# Altium PCB slave-14-mc33775.PcbDoc (part 4 of 5) (continued)
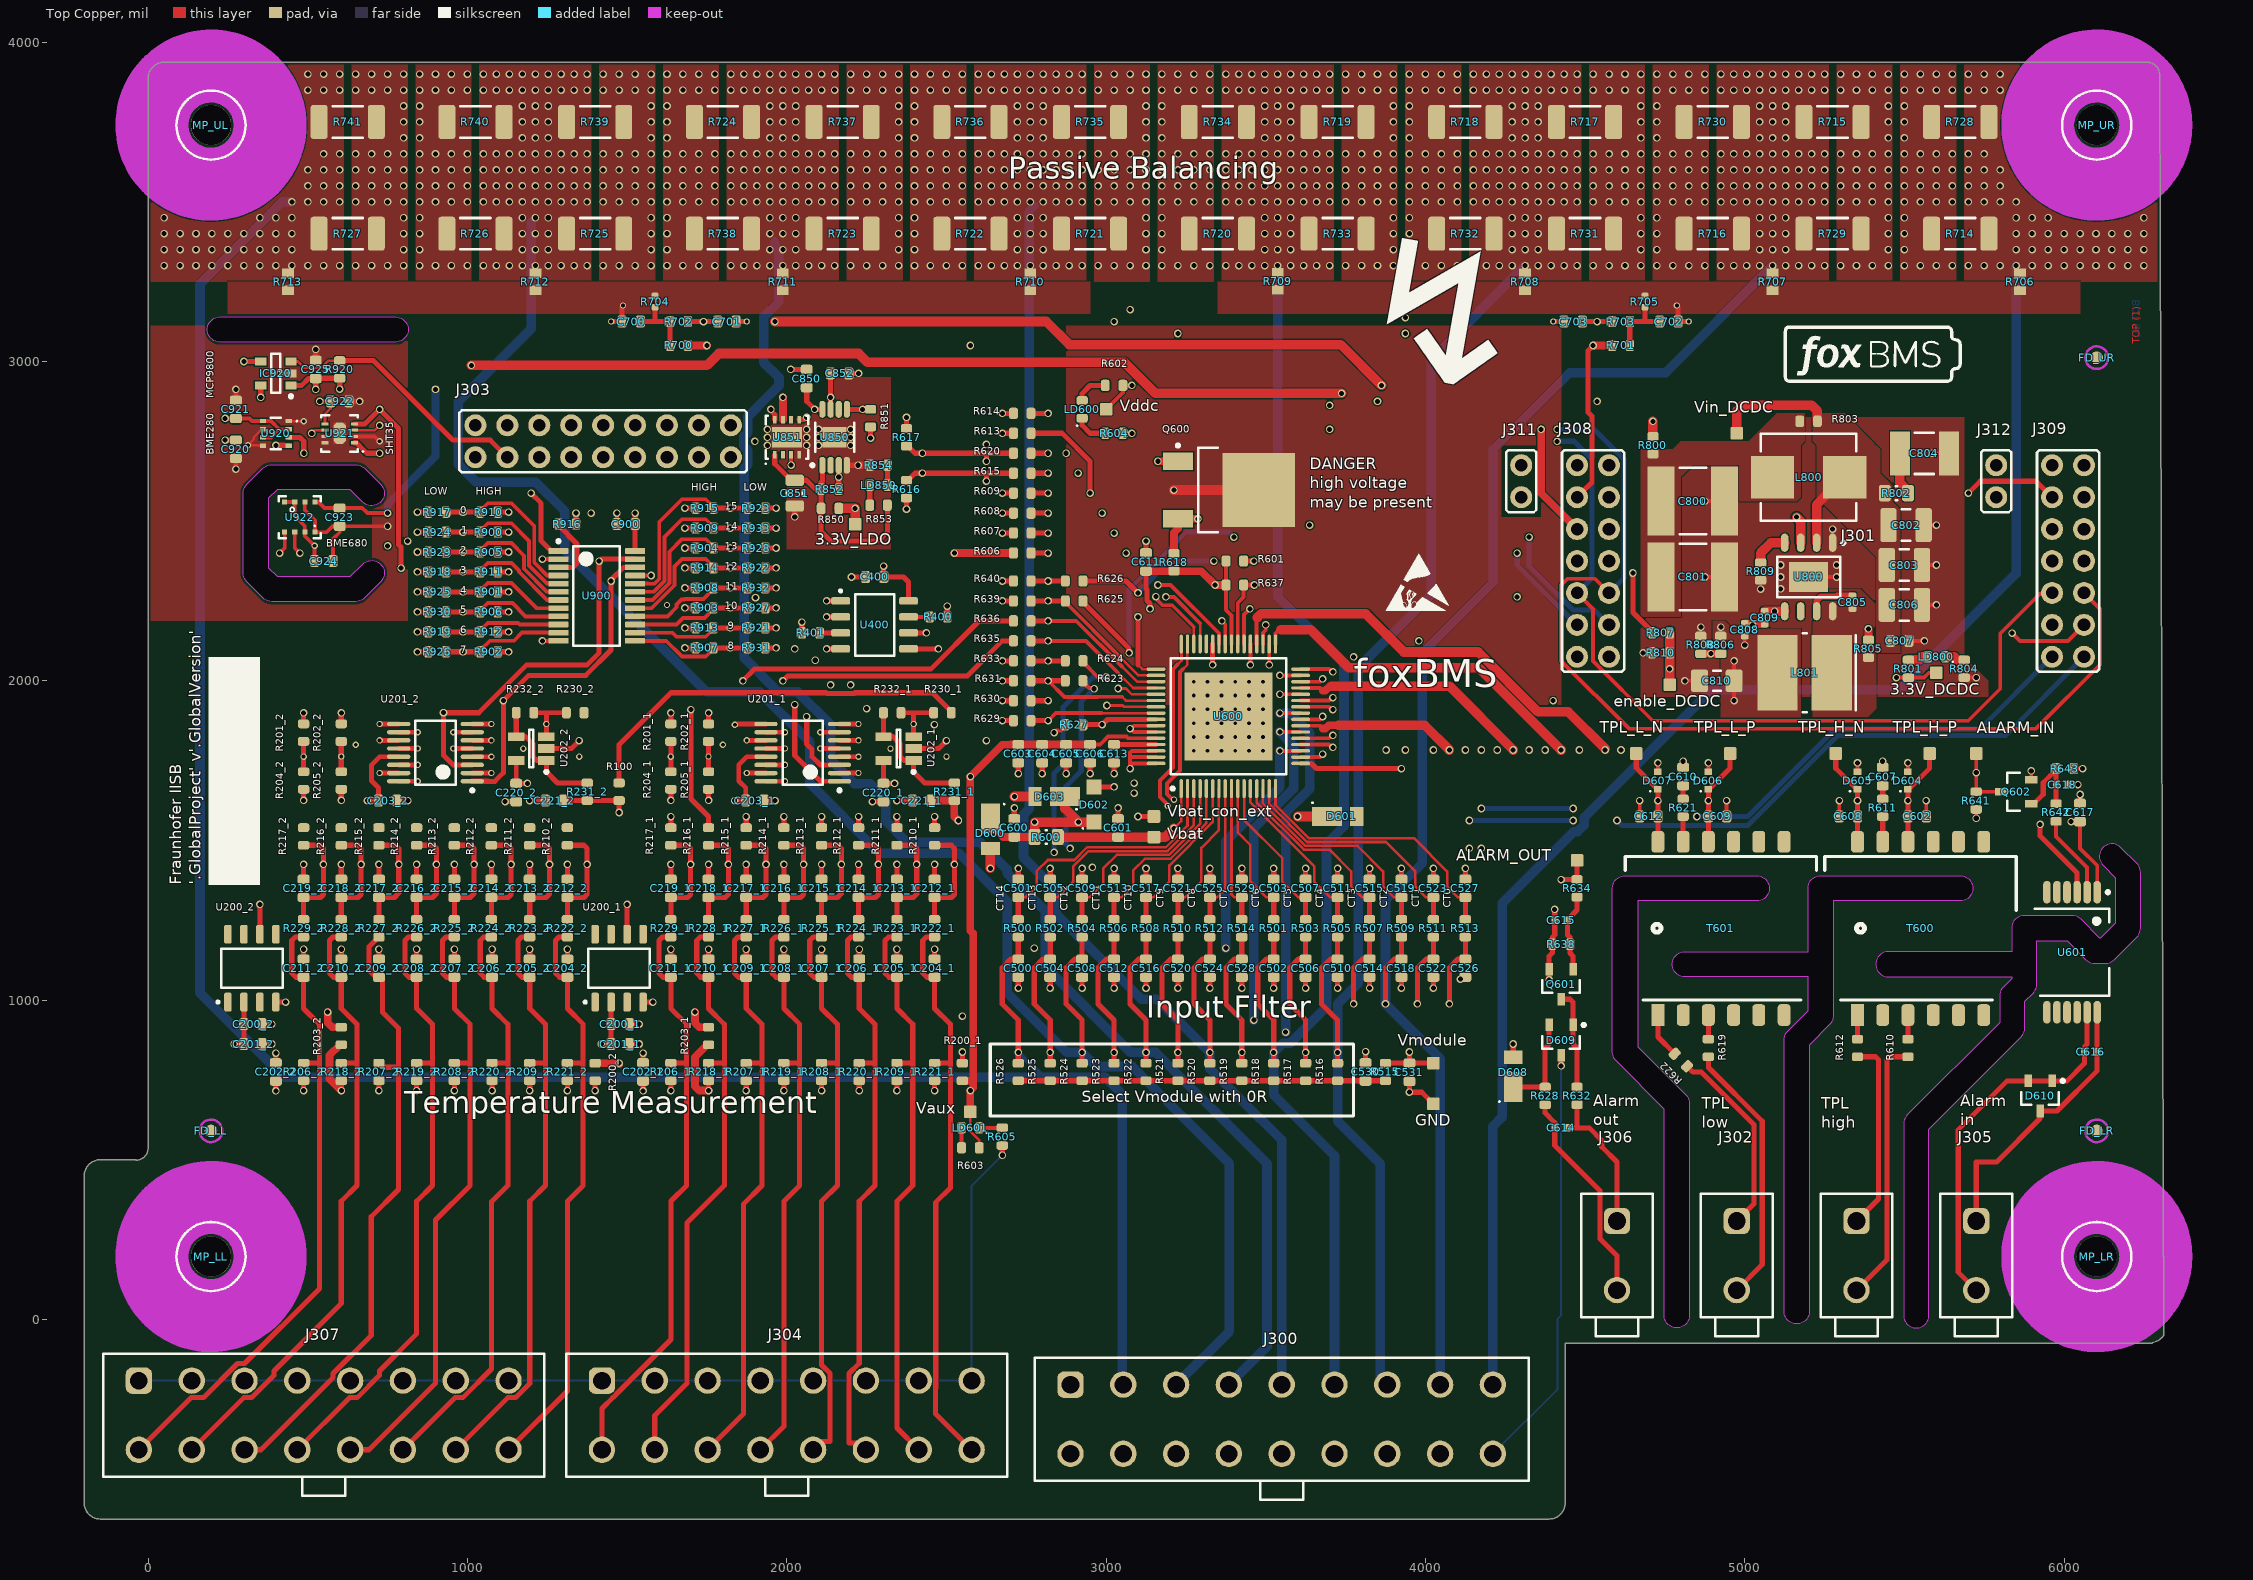
[diagram p0: Top Copper view]
## Nets (pads, with @x,y where several pads share a name; then routed paths per layer and width w, separated by ;. In a path a pad name is that pad's centre, name@x,y a point inside that pad or via, vN(x,y) a via of type N, cw(c..) or ccw(c..) an arc to the next point about the centre after c; other vN are vias at no path point) (continued)
  Signal Layer 1 w16: v2(1875,1813.39) 1935,1753.39 v1(1935,1425)
S6_2: C217_2.2 R215_2.1 R227_2.1 U201_2.11 | length 813
  Top Copper w15: v2(725,1813.39) U201_2.11@784.84,1813.39
  Top Copper w16: R227_2.1@722.99,1252.56 C217_2.2@722.99,1318.75 ; C217_2.2@722.99,1321.46 771.46,1321.46 785,1335 785,1475 775.06,1484.94 R215_2.1@722.99,1484.94
  Signal Layer 1 w16: v2(725,1813.39) 785,1753.39 v1(785,1425)
S7_1: C218_1.2 R216_1.1 R228_1.1 U201_1.10 | length 1005.4
  Top Copper w15: U201_1.10@1934.84,1838.98 v2(1994.69,1838.98)
  Top Copper w16: R228_1.1@1755,1252.56 C218_1.2@1755,1318.75 ; C218_1.2@1755,1321.46 1807.64,1321.46 1817.01,1330.83 1817.01,1475 1807.07,1484.94 R216_1.1@1755,1484.94
  Signal Layer 1 w16: v2(1800,1800) 1800,1559.36 1817.01,1542.35 v1(1817.01,1425)
  Signal Layer 2 w16: v2(1800,1800) 1851.84,1800 1864.3,1787.54 1943.25,1787.54 v2(1994.69,1838.98)
S7_2: C218_2.2 R216_2.1 R228_2.1 U201_2.10 | length 1005.4
  Top Copper w15: U201_2.10@784.84,1838.98 v2(844.69,1838.98)
  Top Copper w16: R228_2.1@605,1252.56 C218_2.2@605,1318.75 ; C218_2.2@605,1321.46 657.64,1321.46 667.01,1330.83 667.01,1475 657.07,1484.94 R216_2.1@605,1484.94
  Signal Layer 1 w16: v2(650,1800) 650,1559.36 667.01,1542.35 v1(667.01,1425)
  Signal Layer 2 w16: v2(650,1800) 701.84,1800 714.3,1787.54 793.25,1787.54 v2(844.69,1838.98)
S8_1: C219_1.2 R217_1.1 R229_1.1 U201_1.9 | length 957.4
  Top Copper w15: v2(1837.5,1862.5) 1838.77,1862.5 1840.83,1864.57 U201_1.9@1934.84,1864.57
  Top Copper w16: R229_1.1@1637.01,1252.56 C219_1.2@1637.01,1318.75 ; C219_1.2@1637.01,1321.46 1689.64,1321.46 1699.02,1330.83 1699.02,1475 1689.07,1484.94 R217_1.1@1637.01,1484.94
  Signal Layer 1 w16: v1(1699.02,1425) 1699.02,1761.52 1800,1862.5 v2(1837.5,1862.5)
S8_2: C219_2.2 R217_2.1 R229_2.1 U201_2.9 | length 957.6
  Top Copper w15: v2(725,1864.57) U201_2.9@784.84,1864.57
  Top Copper w16: R229_2.1@487.01,1252.56 C219_2.2@487.01,1318.75 ; C219_2.2@487.01,1321.46 539.64,1321.46 549.02,1330.83 549.02,1475 539.07,1484.94 R217_2.1@487.01,1484.94
  Signal Layer 1 w16: v1(549.02,1425) 549.02,1761.52 652.32,1864.82 724.75,1864.82 v2(725,1864.57)
SW: C805.2 L801.1 R805.1 U800.8
T-SENSOR_0: C204_1.2 J304.16 R221_1.1 R222_1.2 | length 1801.5
  Top Copper w16: R221_1.1@2462.99,802.56 2512.5,802.56 ; R222_1.2@2462.99,1197.44 2437.12,1197.44 2425.98,1186.3 2425.98,1084.28 2438.8,1071.46 C204_1.2@2462.99,1071.46 2462.99,973.92 2512.5,924.41 2512.5,802.56 ; J304.16@2578.74,-408.27 2466.23,-295.76 2466.23,-214.32 2466.72,-213.83 2466.72,366.72 2512.5,412.5 2512.5,802.56
T-SENSOR_1: C205_1.2 J304.15 R209_1.1 R223_1.2 | length 1784.5
  Top Copper w16: R209_1.1@2345,802.56 2394.51,802.56 ; R223_1.2@2345,1197.44 2319.13,1197.44 2307.99,1186.3 2307.99,1084.28 2320.81,1071.46 C205_1.2@2345,1071.46 2345,973.92 2394.51,924.41 2394.51,802.56 ; J304.15@2413.39,-408.27 2345,-339.88 2345,370 2394.51,419.51 2394.51,802.56
T-SENSOR_2: C206_1.2 J304.14 R220_1.1 R224_1.2 | length 1810.6
  Top Copper w16: R220_1.1@2227.01,802.56 2276.52,802.56 ; R224_1.2@2227.01,1197.44 2201.14,1197.44 2190,1186.3 2190,1084.28 2202.82,1071.46 C206_1.2@2227.01,1071.46 2227.01,973.92 2276.52,924.41 2276.52,802.56 ; J304.14@2248.03,-408.27 2227.01,-387.24 2194.69,-387.24 2194.69,-169.64 2227.01,-137.32 2227.01,370 2276.52,419.51 2276.52,802.56
T-SENSOR_3: C207_1.2 J304.13 R208_1.1 R225_1.2 | length 1805.3
  Top Copper w16: J304.13@2082.68,-408.27 2109.02,-381.93 2136.01,-381.93 2136.01,-169.64 2109.02,-142.64 2109.02,370 2158.52,419.51 2158.52,802.56 ; R208_1.1@2109.02,802.56 2158.52,802.56 ; R225_1.2@2109.02,1197.44 2083.15,1197.44 2072.01,1186.3 2072.01,1084.28 2084.83,1071.46 C207_1.2@2109.02,1071.46 2109.02,973.92 2158.52,924.41 2158.52,802.56
T-SENSOR_4: C208_1.2 J304.12 R219_1.1 R226_1.2 | length 1786.7
  Top Copper w16: J304.12@1917.32,-408.27 1990.98,-334.61 1990.98,370 2040.49,419.51 2040.49,802.56 ; R219_1.1@1990.98,802.56 2040.49,802.56 ; R226_1.2@1990.98,1197.44 1965.12,1197.44 1953.98,1186.3 1953.98,1084.28 1966.8,1071.46 C208_1.2@1990.98,1071.46 1990.98,973.92 2040.49,924.41 2040.49,802.56
T-SENSOR_5: C209_1.2 J304.11 R207_1.1 R227_1.2 | length 1806.3
  Top Copper w16: J304.11@1751.97,-408.27 1863.98,-296.25 1863.98,360.99 1922.5,419.51 1922.5,802.56 ; R207_1.1@1872.99,802.56 1922.5,802.56 ; R227_1.2@1872.99,1197.44 1847.12,1197.44 1835.98,1186.3 1835.98,1084.28 1848.8,1071.46 C209_1.2@1872.99,1071.46 1872.99,973.92 1922.5,924.41 1922.5,802.56
T-SENSOR_6: C210_1.2 J304.10 R218_1.1 R228_1.2 | length 1823.6
  Top Copper w16: J304.10@1586.61,-408.27 1586.61,-300.89 1687.5,-200 1687.5,-102.31 ; 1687.5,-100 1687.5,302.5 1804.51,419.51 1804.51,802.56 ; R218_1.1@1755,802.56 1804.51,802.56 ; R228_1.2@1755,1197.44 1729.13,1197.44 1717.99,1186.3 1717.99,1084.28 1730.81,1071.46 C210_1.2@1755,1071.46 1755,973.92 1804.51,924.41 1804.51,802.56
T-SENSOR_7: C211_1.2 J304.9 R206_1.1 R229_1.2 | length 1845.9
  Top Copper w16: J304.9@1421.26,-408.27 1421.26,-278.74 1454.93,-245.07 1455.46,-245.07 1474.6,-225.93 1474.6,-225.4 1637.5,-62.5 1637.5,370.49 1686.52,419.51 1686.52,802.56 ; R206_1.1@1637.01,802.56 1686.52,802.56 ; R229_1.2@1637.01,1197.44 1611.14,1197.44 1600,1186.3 1600,1084.28 1612.82,1071.46 C211_1.2@1637.01,1071.46 1637.01,973.92 1686.52,924.41 1686.52,802.56
T-SENSOR_8: C204_2.2 J307.16 R221_2.1 R222_2.2 | length 1832.5
  Top Copper w16: J307.16@1128.74,-408.27 1312.99,-224.02 1312.99,370 1362.5,419.51 1362.5,802.56 ; R221_2.1@1312.99,802.56 1362.5,802.56 ; R222_2.2@1312.99,1197.44 1287.12,1197.44 1275.98,1186.3 1275.98,1084.28 1288.8,1071.46 C204_2.2@1312.99,1071.46 1312.99,973.92 1362.5,924.41 1362.5,802.56
T-SENSOR_9: C205_2.2 J307.15 R209_2.1 R223_2.2 | length 1866.4
  Top Copper w16: J307.15@963.39,-408.27 1126.58,-245.07 1150.83,-245.07 1195,-200.9 1195,370 1244.51,419.51 1244.51,802.56 ; R209_2.1@1195,802.56 1244.51,802.56 ; R223_2.2@1195,1197.44 1169.13,1197.44 1157.99,1186.3 1157.99,1084.28 1170.81,1071.46 C205_2.2@1195,1071.46 1195,973.92 1244.51,924.41 1244.51,802.56
T-SENSOR_10: C206_2.2 J307.14 R220_2.1 R224_2.2 | length 1886
  Top Copper w16: J307.14@798.03,-408.27 961.23,-245.07 985.48,-245.07 1075.4,-155.15 1075.4,368.39 1126.52,419.51 1126.52,802.56 ; R220_2.1@1077.01,802.56 1126.52,802.56 ; R224_2.2@1077.01,1197.44 1051.14,1197.44 1040,1186.3 1040,1084.28 1052.82,1071.46 C206_2.2@1077.01,1071.46 1077.01,973.92 1126.52,924.41 1126.52,802.56
T-SENSOR_11: C207_2.2 J307.13 R208_2.1 R225_2.2 | length 1926
  Top Copper w16: J307.13@632.68,-408.27 691.73,-408.27 900,-200 900,310.98 1008.52,419.51 1008.52,802.56 ; R208_2.1@959.02,802.56 1008.52,802.56 ; R225_2.2@959.02,1197.44 933.15,1197.44 922.01,1186.3 922.01,1084.28 934.83,1071.46 C207_2.2@959.02,1071.46 959.02,973.92 1008.52,924.41 1008.52,802.56
T-SENSOR_12: C208_2.2 J307.12 R219_2.1 R226_2.2 | length 1925.2
  Top Copper w16: J307.12@467.32,-408.27 630.52,-245.07 654.77,-245.07 724.69,-175.15 724.69,-161.35 840.98,-45.06 840.98,370 890.49,419.51 890.49,802.56 ; R219_2.1@840.98,802.56 890.49,802.56 ; R226_2.2@840.98,1197.44 815.12,1197.44 803.98,1186.3 803.98,1084.28 816.8,1071.46 C208_2.2@840.98,1071.46 840.98,973.92 890.49,924.41 890.49,802.56
T-SENSOR_13: C209_2.2 J307.11 R207_2.1 R227_2.2 | length 1962.6
  Top Copper w16: J307.11@301.97,-408.27 302,-408.23 353.46,-408.23 579.34,-182.35 579.34,-169.64 698.97,-50.01 698.97,321.79 783.97,406.79 783.97,789.84 ; R207_2.1@722.99,802.56 726.93,802.56 739.65,789.84 783.97,789.84 ; R227_2.2@722.99,1197.44 719.06,1197.44 713.28,1191.66 713.28,1188.87 692.29,1167.88 692.29,1092.75 706.83,1078.22 716.23,1078.22 C209_2.2@722.99,1071.46 726.93,1071.46 733.69,1064.69 733.69,1056.09 734.46,1055.32 734.46,961.2 783.97,911.69 783.97,789.84
T-SENSOR_14: C210_2.2 J307.10 R218_2.1 R228_2.2 | length 1964.4
  Top Copper w16: J307.10@136.61,-408.27 299.81,-245.07 324.06,-245.07 393.98,-175.15 393.98,-161.35 605,49.66 605,370 654.51,419.51 654.51,802.56 ; R218_2.1@605,802.56 654.51,802.56 ; R228_2.2@605,1197.44 579.13,1197.44 567.99,1186.3 567.99,1084.28 580.81,1071.46 C210_2.2@605,1071.46 605,973.92 654.51,924.41 654.51,802.56
T-SENSOR_15: C211_2.2 J307.9 R206_2.1 R229_2.2 | length 2005.3
  Top Copper w16: J307.9@-28.74,-408.27 134.46,-245.07 173.2,-245.07 279.87,-138.39 301.73,-138.39 536.52,96.39 536.52,802.56 ; R206_2.1@487.01,802.56 536.52,802.56 ; R229_2.2@487.01,1197.44 461.14,1197.44 450,1186.3 450,1084.28 462.82,1071.46 C211_2.2@487.01,1071.46 487.01,973.92 536.52,924.41 536.52,802.56
T_FILT0: R210_1.2 R629.1 | length 574.8
  Top Copper w16: R210_1.2@2462.99,1540.06 v1@2462.99,1574.21 ; v1(2675,1875) R629.1@2709.94,1875
  Signal Layer 1 w16: v1(2462.5,1862.47) 2462.75,1862.23 2462.75,1574.95 v1(2462.99,1574.7)
  Signal Layer 2 w16: v1(2462.5,1862.47) 2475.03,1875 v1(2675,1875)
T_FILT0_2: R210_2.2
T_FILT1: R211_1.2 R630.1 | length 904.6
  Top Copper w16: R211_1.2@2345,1540.06 v1@2345,1574.21 ; v1(2675,1937.5) R630.1@2709.94,1937.5
  Signal Layer 1 w16: v1(2250,1912.5) 2299.16,1863.34 2299.16,1774.21 2372.81,1700.55 2372.81,1602.52 v1(2345,1574.7)
  Signal Layer 2 w16: v1(2250,1912.5) 2275,1937.5 v1(2675,1937.5)
T_FILT1_2: R211_2.2
T_FILT2: R212_1.2 R631.1 | length 973.1
  Top Copper w16: R212_1.2@2225,1540.06 v1@2225,1574.21 ; v1(2675,2000) R631.1@2709.94,2000
  Signal Layer 1 w16: v1(2200,1987.5) 2199.16,1986.66 2199.16,1600.55 v1(2225,1574.7)
  Signal Layer 2 w16: v1(2200,1987.5) 2212.5,2000 v1(2675,2000)
T_FILT2_2: R212_2.2
T_FILT3: R213_1.2 R633.1 | length 1090.4
  Top Copper w16: R213_1.2@2109.02,1540.06 v1@2109.02,1574.21 ; v1(2675,2062.5) R633.1@2709.94,2062.5
  Signal Layer 1 w16: v1(2109.02,1574.7) 2075,1608.72 2075,1845.21 2137.5,1907.71 v1(2137.5,1987.5)
  Signal Layer 2 w16: v1(2137.5,1987.5) 2212.5,2062.5 v1(2675,2062.5)
T_FILT3_2: R213_2.2
T_FILT4: R214_1.2 R635.1 | length 1250.6
  Top Copper w16: v1(1987.5,2000) 2002.81,2015.31 2565.31,2015.31 2675,2125 R635.1@2709.94,2125 ; R214_1.2@1990.98,1540.06 v1@1990.98,1574.21
  Signal Layer 1 w16: v1(1987.5,2000) 1987.5,1868.34 1968.84,1849.68 1968.84,1674.73 1991,1652.57 v1(1990.98,1574.7)
T_FILT4_2: R214_2.2
T_FILT5: R215_1.2 R636.1 | length 1400.7
  Top Copper w16: v1(1862.5,2000) 1898.94,2036.44 2450.77,2036.44 2601.83,2187.5 R636.1@2709.94,2187.5 ; R215_1.2@1872.99,1540.06 v1@1872.99,1574.21
  Signal Layer 1 w16: v1(1862.5,2000) 1863.34,1999.16 1863.34,1851.8 1849.16,1837.61 1849.16,1700.32 1872.99,1676.48 v1(1872.99,1574.7)
T_FILT5_2: R215_2.2
T_FILT6: R216_1.2 R639.1 | length 1652.7
  Top Copper w16: v1(1700,1909.69) 1700,1629.7 1755,1574.7 ; R216_1.2@1755,1540.06 1755,1574.21 ; v1(2675,2250) R639.1@2709.94,2250
  Signal Layer 1 w16: v1(1700,1909.69) 1700,1912.5 1902.16,2114.66 v1(1902.16,2260.11)
  Signal Layer 2 w16: v1(1902.16,2260.11) 1903.62,2261.57 1911.57,2261.57 1912.5,2262.5 2098.17,2262.5 2113.48,2277.81 2498.04,2277.81 2525.85,2250 v1(2675,2250)
T_FILT6_2: R216_2.2
T_FILT7: R217_1.2 R640.1 | length 1885.9
  Top Copper w16: R217_1.2@1637.01,1540.06 v1@1637.01,1574.21 ; v1(2675,2312.5) R640.1@2709.94,2312.5
  Signal Layer 1 w16: v2(1625,2237.5) 1625,1933.04 1609.2,1917.24 1609.2,1602.52 v1(1637.01,1574.7)
  Signal Layer 2 w16: v2(1625,2237.5) 1625,2274.17 1676.26,2325.44 1977.96,2325.44 2005.33,2352.81 2270.36,2352.81 2310.67,2312.5 v1(2675,2312.5)
T_FILT7_2: R217_2.2
TPL_H._N: J301.1 R612.2 | length 603.3
  Top Copper w16: J301.1@5350,308.27 5419.15,377.42 5419.15,813.07 5409.78,822.44 R612.2@5353.15,822.44
TPL_H._P: J301.2 R610.2 | length 830.6
  Top Copper w16: J301.2@5350,91.73 5445.15,186.88 5445.15,813.07 5454.52,822.44 R610.2@5511.15,822.44
TPL_L._N: J302.1 R622.2 | length 609.2
  Top Copper w16: R622.2@4819.49,793.01 4837.5,775 4863.7,775 5029,609.7 5029,362.27 J302.1@4975,308.27
TPL_L._P: J302.2 R619.2 | length 833.8
  Top Copper w16: R619.2@4886.15,822.44 4886.15,789.32 5055,620.47 5055,171.73 J302.2@4975,91.73
VAUX: C603.2 C604.2 C605.2 C606.2 J308.12 J309.12 R200_1.2 R200_2.2 R603.2 R700.2 R701.2 U600.60 Vaux.1 | length 9430.7
  Top Copper w8: Vaux.1@2575,650 2575,588.79 2602.56,561.23 R603.2@2602.56,537.5
  Top Copper w12: C606.2@2950,1800.3 2981.72,1800.3 3006.48,1825.06 3063.44,1825.06 3068.52,1819.98 U600.60@3156.59,1819.98
  Top Copper w16: 2702,1800 2702.3,1800.3 ; J308.12@4475,2575 4521.45,2621.45 4521.45,2828.31 4509.69,2840.07 4509.69,3034.69 v1(4525,3050) ; v1(5700,2587.5) 5737.5,2625 5912.5,2625 J309.12@5962.5,2575
  Top Copper w24: R200_2.2@1400,802.56 1472.44,802.56 v1@1475,800 ; R700.2@1690.06,3050 v1(1750,3050) ; R200_1.2@2550,747.44 2575,747.44 ; Vaux.1@2575,650 v1(2575,716.73) 2583.72,725.45 2583.72,1208.37 2575,1217.08 v1(2575,1700) 2675,1800 2702,1800 ; 2702.3,1800.3 C603.2@2725,1800.3 C604.2@2800,1800.3 C605.2@2875,1800.3 C606.2@2950,1800.3 ; v1(4525,3050) R701.2@4584.94,3050
  Signal Layer 1 w24: v1(2575,1700) v1(2575,3050)
  Signal Layer 2 w16: J308.12@4475,2575 4521.45,2621.45 5666.05,2621.45 v1(5700,2587.5)
  Signal Layer 2 w24: v1@1475,800 1475,725 1516.06,683.94 2475.18,683.94 2507.98,716.73 v1(2575,716.73) ; v1(1750,3050) v1(2575,3050) v1(4525,3050)
  other v1: 1475,802.56
VBAT: C601.2 R600.1 U600.1 Vbat.1 | length 509.2
  Top Copper w8: v1(3212.5,1537.5) 3235.33,1560.33 U600.1@3235.33,1662.5
  Top Copper w30: R600.1@2848.92,1510.63 2937.5,1510.63 C601.2@3037.5,1510.63 3185.63,1510.63 v1(3212.5,1537.5)
VBAT_con: D600.2 J300.10 | length 1999.8
  Top Copper w30: v1(2637.5,1412.5) D600.2@2637.5,1475
  Signal Layer 1 w30: v1(2637.5,1412.5) 2637.5,-169.69 J300.10@2888.58,-420.77
VBAT_con_ext: C600.2 D600.1 D601.1 D602.1 D603.1 J311.1 J312.1 Q600.2 Q600.4 R600.2 R800.1 Vbat_con_ext.1 | length 5581.8
  Top Copper w16: v1(3100,1575) Vbat_con_ext.1@3150,1575
  Top Copper w24: D600.1@2637.5,1550.79 2677.66,1510.63 C600.2@2712.5,1510.63 R600.2@2776.08,1510.63
  Top Copper w30: D600.1@2637.5,1550.79 D600.1@2637.5,1568.5 ; R600.2@2776.08,1510.63 v1(2776.08,1557.38) v1(2913.04,1557.38) ; D603.1@2870.96,1637.5 2870.96,1599.46 v1(2913.04,1557.38) ; D602.1@2962.5,1557.38 v1(2913.04,1557.38) ; v1(3212.5,2597.34) Q600.2@3412.01,2597.34 ; v1(3600,1575) D601.1@3691.54,1575 ; R800.1@4712.5,2765.06 v1(4712.5,2812.5)
  Signal Layer 1 w30: v1(3100,1575) 3222.31,1697.31 3222.31,2587.53 v1(3212.5,2597.34)
  Signal Layer 2 w30: v1(2776.08,1557.38) v1(2913.04,1557.38) 3082.38,1557.38 v1(3100,1575) v1(3600,1575) ; v1(3212.5,2597.34) 3215.16,2597.34 3237.5,2575 J311.1@4300,2575 4300,2575.59 4536.91,2812.5 v1(4712.5,2812.5) 5550,2812.5 J312.1@5787.5,2575
VBAT_con_ext_emi: C802.2 C803.2 C806.2 C807.2 L800.2 R802.2 R803.2 U800.2 Vin_DCDC.1 | length 612.4
  Top Copper w30: Vin_DCDC.1@4975,2775 4975,2844.93 4992.57,2862.5 5209.99,2862.5 5227.56,2844.93 R803.2@5227.56,2812.5 ; U800.2@5225,2432.28 5225,2551.28 5311.22,2637.5 L800.2@5313.19,2637.5
VBAT_con_ext_lim: C800.2 C801.2 L800.1 R800.2 R803.1
VBAT_ext: D601.2
Vdd2_unused: U601.10
VDDA: C613.2 U600.61 | length 131.6
  Top Copper w16: C613.2@3025,1800.3 U600.61@3156.59,1800.3
VDDC: C200_1.2 C200_2.2 C201_1.2 C201_2.2 C611.2 C617.2 C850.2 D608.2 J308.11 J309.11 R601.1 R602.2 R618.1 R627.1 R637.2 R641.1 R851.2 U200_1.2 U200_2.2 U600.40 U601.1 U850.8 U851.8 Vddc.1 | length 10121.9
  Top Copper w12: v1(2837.5,1837.5) 2843.97,1843.97 2857.85,1843.97 2872.44,1858.56 R627.1@2872.44,1862.5 ; Vddc.1@3000,2850 3052.56,2902.56 R602.2@3052.56,2925 v1(3080.45,2925) ; R601.1@3375.57,2375 R637.2@3375.57,2300 3375.57,2222.19 3392.82,2204.94 U600.40@3392.82,2115.26 ; v1(5725,1569.45) R641.1@5725,1597.34 ; v1(6022.11,1558.96) C617.2@6050,1558.96 6050,1475 6103.74,1421.26 U601.1@6103.74,1337.99
  Top Copper w16: v1@269.78,862.5 C201_2.2@300,862.5 C200_2.2@300,925 U200_2.2@300,993.7 ; v1@1419.78,862.5 C201_1.2@1450,862.5 C200_1.2@1450,925 U200_1.2@1450,993.7 ; v1(1950,2850.1) v1@1950.05,2850.05 ; v1@1950.1,2850.1 v1@1950.05,2850.05 ; U851.8@1962.5,2817.62 1962.5,2833.43 1951.46,2844.47 1951.46,2848.64 v1@1950.05,2850.05 ; C850.2@2062.5,2917.91 2062.5,2875 v1(2087.5,2850) 2097.67,2850 2097.77,2850.1 U850.8@2111.61,2850.1 ; v1(2262.5,2760.04) R851.2@2262.5,2794.98 ; C611.2@3125,2334.65 3125,2289.33 3128.08,2286.26 3128.08,2251.71 3137.5,2242.28 v1(3137.5,2225) ; D608.2@4275,821.06 v1(4275,862.5)
  Top Copper w24: C611.2@3131.7,2343.5 R618.1@3212.5,2343.5 ; R618.1@3218.22,2343.5 3298.11,2343.5 v1(3341.61,2300) R637.2@3375.57,2300
  Signal Layer 1 w16: v1(2837.5,1837.5) 2872.03,1837.5 2984.88,1950.34 3015.78,1950.34 3018.12,1948 3049.02,1948 3137.5,2036.48 v1(3137.5,2225)
  Signal Layer 1 w24: v1(2550,950) 2562.5,950 2605.69,993.19 2605.69,1634.93 2808.26,1837.5 v1(2837.5,1837.5)
  Signal Layer 2 w16: v1(1950,2850.1) 1950.1,2850 2048.17,2850 2050.98,2852.81 2074.02,2852.81 2075.37,2851.46 2086.04,2851.46 v1(2087.5,2850) ; v1@2087.6,2850 2176.83,2850 2261.04,2765.79 2261.04,2761.5 v1(2262.5,2760.04) ; 5937.5,2525 6012.5,2525 J309.11@6062.5,2575
  Signal Layer 2 w24: v1(269.29,862.5) 329.35,802.44 1359.23,802.44 v1(1419.29,862.5) 1513.6,956.81 1673.2,956.81 1699.32,930.69 2535.94,930.69 2550,944.75 v1(2550,950) ; J308.11@4575,2575 4842.51,2575 4861.82,2594.31 5487.8,2594.31 5557.56,2524.55 5937.05,2524.55 5937.5,2525
  Signal Layer 2 w30: v1(3341.61,2300) 3379.11,2262.5 v1(4287.5,2262.5)
  Supply w24: v1(2262.5,2760.04) 2262.5,2762.5 2369.31,2869.31 2850.24,2869.31 2944.55,2775 ; v1(3080.45,2925) 3080.45,2905.45 2950,2775 2944.55,2775 ; v1(3341.61,2300) 3086.77,2554.84 3086.77,2632.78 2944.55,2775
VDDIO: 3.3V_LDO.1 C203_1.2 C203_2.2 C220_1.2 C220_2.2 C400.2 C900.2 C920.2 C921.2 C922.2 C924.2 C925.2 IC920.1 J308.9 J309.9 R201_1.2 R201_2.2 R202_1.2 R202_2.2 R400.2 R401.2 R616.2 R617.2 R637.1 R850.2 R900.2 R901.2 R902.2 R903.2 R904.2 R905.2 R906.2 R907.2 R908.2 R909.2 R910.2 R911.2 R912.2 R913.2 R914.2 R915.2 R916.1 R920.2 U201_1.2 U201_1.13 U201_2.2 U201_2.13 U202_1.5 U202_2.5 U400.8 U600.39 U900.24 U920.2 U920.6 U920.8 U921.5 U922.2 U922.5 U922.6 | length 5947.7
  Top Copper w8: U921.5@553.94,2804.53 553.94,2834.78 571.46,2852.3 C922.2@571.46,2875
  Top Copper w12: v1(241.04,2821.46) 317.66,2821.46 325.73,2813.39 385.06,2813.39 410.65,2787.8 ; U920.6@359.65,2762.2 385.06,2762.2 410.65,2787.8 ; U922.5@427.76,2559.74 U922.6@459.25,2559.74 459.25,2515.75 490.75,2484.25 U922.2@490.75,2465.26 490.75,2453.38 v2(521.46,2422.67) C924.2@521.46,2375 ; U920.2@440.35,2787.8 410.65,2787.8 ; U600.39@3412.5,2115.26 3412.5,2243.75 3430.68,2261.93 R637.1@3430.68,2300
  Top Copper w15: C203_2.2@721.46,1625 721.46,1664.33 699.66,1686.13 699.66,1736.86 725,1762.2 U201_2.13@784.84,1762.2 ; U201_2.2@1015.16,1711.02 v2(1075,1711.02) ; C220_2.2@1152.76,1678.54 U202_2.5@1152.76,1750.1 ; C203_1.2@1871.46,1625 1871.46,1664.33 1849.66,1686.13 1849.66,1736.86 1875,1762.2 U201_1.13@1934.84,1762.2 ; U201_1.2@2165.16,1711.02 v2(2225,1711.02) ; C220_1.2@2302.76,1678.54 U202_1.5@2302.76,1750.1
  Top Copper w16: v1(241.04,2753.54) C920.2@275,2753.54 ; IC920.1@447.24,2925.1 480.94,2925.1 502.3,2946.46 C925.2@525,2946.46 ; R201_2.2@487.01,1865.06 v1@487.01,1899.21 ; v1(525,2912.5) C925.2@525,2946.46 ; v1(537.5,2875) C922.2@571.46,2875 ; v1(600,2913.48) R920.2@600,2947.44 548.69,2947.44 547.7,2946.46 C925.2@525,2946.46 ; R202_2.2@605,1865.06 v1@605,1899.21 ; v1@687.3,1625 C203_2.2@721.46,1625 ; R902.2@1094.98,2090.75 v1(1128.94,2090.75) ; R912.2@1094.98,2153.25 v1(1128.94,2153.25) ; R906.2@1094.98,2215.75 v1(1128.94,2215.75) ; R901.2@1094.98,2278.25 v1(1128.94,2278.25) ; R911.2@1094.98,2340.75 v1(1128.94,2340.75) ; R905.2@1094.98,2403.25 v1(1128.94,2403.25) ; R900.2@1094.98,2465.75 v1(1128.94,2465.75) ; R910.2@1094.98,2528.25 v1(1128.94,2528.25) ; C220_2.2@1152.76,1678.54 v1@1186.91,1678.54 ; R916.1@1339.96,2490.75 v1(1339.96,2524.7) ; U900.24@1525,2406.5 C900.2@1525,2490.75 v1(1525,2524.7) ; R201_1.2@1637.01,1865.06 v1@1637.01,1899.21 ; v1(1680.91,2103.25) R907.2@1714.86,2103.25 ; v1(1680.91,2165.75) R913.2@1714.86,2165.75 ; v1(1680.91,2228.25) R903.2@1714.86,2228.25 ; v1(1680.91,2290.75) R908.2@1714.86,2290.75 ; v1(1680.91,2353.25) R914.2@1714.86,2353.25 ; v1(1680.91,2415.75) R904.2@1714.86,2415.75 ; v1(1680.91,2478.25) R909.2@1714.86,2478.25 ; v1(1680.91,2540.75) R915.2@1714.86,2540.75 ; R202_1.2@1755,1865.06 v1@1755,1899.21 ; v1@1837.3,1625 C203_1.2@1871.46,1625 ; R401.2@2047.44,2150 v1(2047.44,2183.96) ; C220_1.2@2302.76,1678.54 v1@2336.91,1678.54 ; v1(2303.54,2358.96) C400.2@2303.54,2325 2365.63,2325 2381.3,2309.33 U400.8@2381.3,2250 ; v1(2375,2537.5) R616.2@2375,2572.44 ; R617.2@2375,2790.06 v1(2375,2825) ; R400.2@2502.56,2200 v1(2502.56,2233.96) ; R637.1@3430.68,2300 v1(3464.64,2300)
  Top Copper w30: R850.2@2162.8,2539.79 v1(2214.17,2539.79) 3.3V_LDO.1@2214.17,2490.43
  Signal Layer 2 w16: 4387.5,2487.5 4421.45,2521.45 4528.55,2521.45 J308.9@4575,2475 5164.33,2475 5192.14,2502.81 5545.36,2502.81 5610.72,2437.45 5925.51,2437.45 5934.4,2428.55 6016.05,2428.55 J309.9@6062.5,2475
  Signal Layer 2 w30: v1(3637.5,2487.5) 4387.5,2487.5
  Supply w12: v2(521.46,2422.67) v1(750,2422.67)
  other v1: 686.81,1625 1836.81,1625 1187.4,1678.54 2337.4,1678.54 487.01,1899.7 605,1899.7 1637.01,1899.7 1755,1899.7
VMODULE: C531.2 R515.1 U600.17 Vmodule.1 | length 1409.3
  Top Copper w16: U600.17@3609.35,1741.24 3642.88,1741.24 3659.12,1725 v1(3925,1725) ; R515.1@3875,802.56 3949.02,802.56 3950,803.54 v1(3950,837.5) ; C531.2@3950,802.56 Vmodule.1@4025,802.56
  Signal Layer 1 w16: v1(3925,1725) 3952.81,1697.19 3952.81,1025.98 3947.19,1020.36 3947.19,920.97 3950,918.16 v1(3950,837.5)
Vmodule_unfiltered: C530.2 R515.2 R516.2 R517.2 R518.2 R519.2 R520.2 R521.2 R522.2 R523.2 R524.2 R525.2 R526.2 | length 1150
  Top Copper w16: R526.2@2725,747.44 R525.2@2825,747.44 R524.2@2925,747.44 R523.2@3025,747.44 R522.2@3125,747.44 R521.2@3225,747.44 R520.2@3325,747.44 R519.2@3425,747.44 R518.2@3525,747.44 R517.2@3625,747.44 R516.2@3725,747.44 3812.5,747.44 R515.2@3875,747.44
Vout_unused: U601.9
W\C\: R400.1 U400.7 | length 66.1
  Top Copper w12: U400.7@2381.3,2200 R400.1@2447.44,2200
pads on no net: FD_LL.0 FD_LR.0 FD_UR.0 J300.1 MP_LL.Hole_3.2_Iso MP_LR.Hole_3.2_Iso MP_UL.Hole_3.2_Iso MP_UR.Hole_3.2_Iso T600.2 T600.4 T600.5 T600.6 T600.7 T600.8 T600.9 T601.2 T601.4 T601.5 T601.6 T601.7 T601.8 T601.9 U200_1.1 U200_1.3 U200_1.5 U200_1.7 U200_1.8 U200_2.1 U200_2.3 U200_2.5 U200_2.7 U200_2.8 U600.44 U601.4 U601.5 U601.6 U800.6 U850.2 U850.6 U851.2 U851.6

## Polygon pours and split planes (outlines as drawn)
no net on Top Overlay "Polygon_1_NoNet" (solid): 350,1361.5 189.5,1361.5 189.5,2074 350,2074
no net on Top Overlay "Polygon_23_NoNet" (solid): 5588.79,3019.28 5596.33,3017.7 5601.01,3015 5603.01,3012.86 5604.44,3010.24 5605.59,3003.78 5605.21,3000.08 5604.08,2996.81 5602.25,2993.99 5599.77,2991.64 5592.94,2988.41 5583.94,2987.29 5577.79,2987.61 5572.51,2988.76 5567.64,2990.89 5562.64,2994.3 5560.91,2995.51 5559.09,2996.06 5556.78,2995.15 5555.8,2992.8 5556.52,2990.91 5558.18,2989.32 5564.05,2985.49 5570.07,2983.04 5576.5,2981.75 5583.57,2981.37 5589.92,2981.77 5595.59,2982.95 5600.54,2984.88 5604.71,2987.5 5608.05,2990.77 5610.49,2994.65 5612,2999.08 5612.52,3004.02 5612.03,3008.75 5610.6,3013.04 5608.28,3016.79 5605.13,3019.91 5599.07,3023.24 5589.71,3025.31 5580.51,3026.67 5573.19,3028.43 5567.92,3031.52 5564.65,3035.94 5563.58,3042.05 5564.91,3048.88 5568.75,3054.05 5574.88,3057.34 5583.09,3058.5 5592.5,3057.38 5600.88,3053.12 5604.38,3051.54 5606.78,3052.58 5607.51,3054.52 5606.75,3056.38 5605,3057.89 5600.04,3060.82 5595.09,3062.79 5589.71,3063.9 5583.45,3064.25 5577.61,3063.85 5572.38,3062.68 5567.82,3060.77 5563.98,3058.18 5560.9,3054.94 5558.64,3051.1 5557.24,3046.71 5556.77,3041.83 5557.19,3037.32 5558.46,3033.3 5560.58,3029.78 5563.56,3026.79 5570.3,3022.87 5578.86,3020.76
no net on Top Overlay "Polygon_25_NoNet" (solid): 5411.06,2982.05 5425.29,2982.05 5430.88,2982.4 5435.78,2983.48 5440.09,2985.25 5443.75,2987.72 5446.7,2990.88 5448.87,2994.72 5450.22,2999.22 5450.68,3004.37 5449.68,3011.02 5446.79,3016.68 5442.16,3021.14 5436.37,3023.95 5441.55,3026.52 5445.78,3030.74 5448.44,3036.06 5449.37,3042.16 5448.88,3046.98 5447.48,3051.23 5445.24,3054.91 5442.25,3057.96 5438.6,3060.38 5434.36,3062.14 5424.51,3063.57 5397.03,3063.57 5395.43,3063.46 5393.88,3062.66 5393.04,3061.17 5392.92,3059.65 5392.92,2985.91 5393.04,2984.43 5393.88,2982.95 5395.42,2982.15 5396.96,2982.05 5411.06,2982.05 5411.96,2987.96 5399.94,2987.96 5399.83,3020.76 5411.83,3020.76 5411.51,3026.68 5399.83,3026.68 5399.83,3057.65 5423.75,3057.65 5431.01,3056.77 5436.96,3054.02 5439.23,3051.89 5440.96,3049.23 5442.06,3046 5442.45,3042.19 5442.06,3038.34 5440.96,3035.1 5439.23,3032.44 5436.96,3030.32 5431.01,3027.56 5423.77,3026.68 5411.51,3026.68 5411.83,3020.76 5424.7,3020.76 5432.56,3019.63 5438.56,3016.39 5442.4,3011.24 5443.76,3004.37 5442.4,2997.49 5438.56,2992.34 5432.56,2989.09 5424.73,2987.96 5411.96,2987.96
no net on Top Overlay "Polygon_24_NoNet" (solid): 5467.42,2986.05 5468.17,2982.8 5470.88,2981.57 5473.58,2982.8 5474.34,2986.06 5474.34,3047.53 5498.56,2996.96 5500.45,2994.13 5503.43,2993.08 5506.4,2994.13 5508.29,2996.96 5532.51,3047.53 5532.51,2986.06 5533.27,2982.8 5535.97,2981.57 5538.69,2982.8 5539.44,2986.06 5539.44,3059.6 5539.13,3061.72 5538.22,3063.07 5535.75,3064.03 5533.45,3063.42 5531.48,3060.72 5503.43,3001.37 5475.39,3060.72 5473.42,3063.42 5471.12,3064.03 5468.65,3063.07 5467.74,3061.72 5467.43,3059.6 5467.41,2986.77 5467.4,2986.25